# Altium PCB Receiver Module.PcbDoc (part 2 of 2)
Units mil, origin at the board's own origin, x right, y up, seen from the top; angles counter-clockwise.
Board outline 5921.26 x 3921.26 mil, 2 copper layers (Top Layer, Bottom Layer), stack 50 mil thick; 69 components, 74 nets, 418 pads, 116 vias.
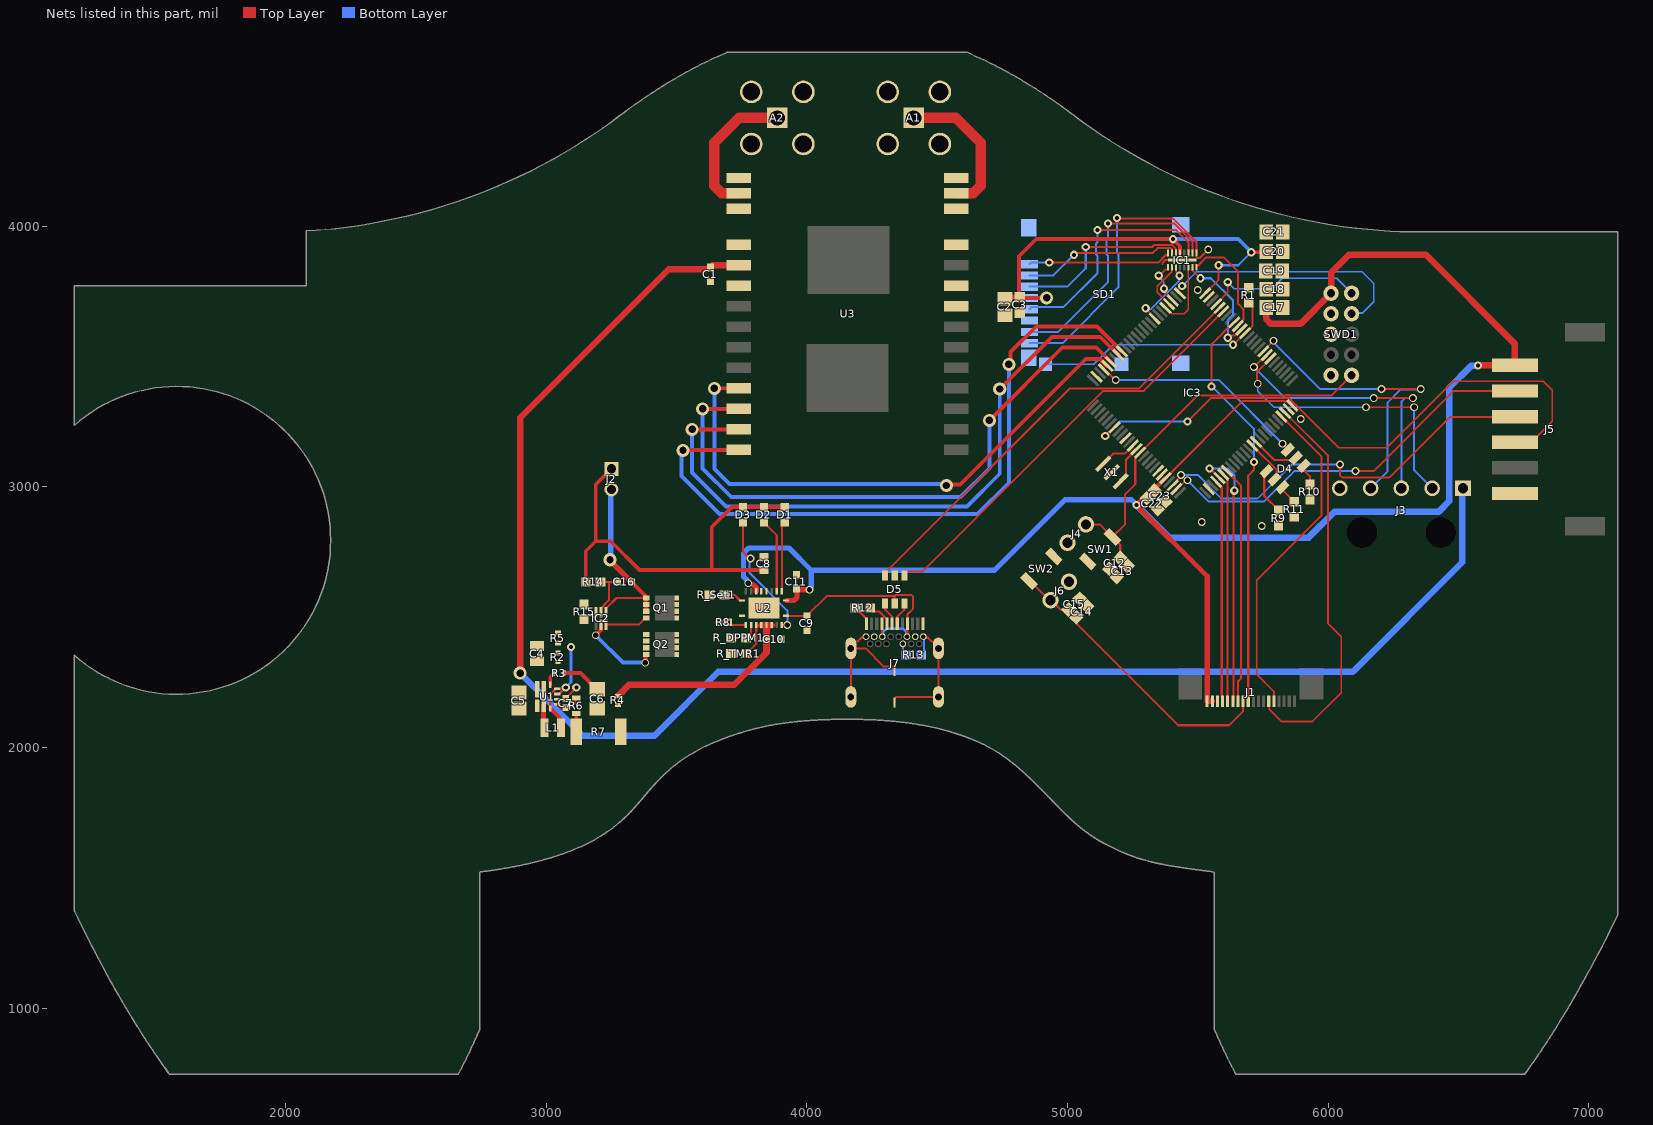
[diagram p2: the nets of this part, all layers, seen from the top]

## Part data (continued)
R6: library part CMP-08839-028178-1, "240kΩ ±5% 0.25W 0603 Anti-Surge Chip Resistor AEC-Q200", Case Code (Imperial)=0603, Case Code (Metric)=1608, Max Operating Temperature=155°C, Max Power Dissipation=250mW, Min Operating Temperature=-55°C, Package Quantity=5000, Resistance=240kR, Resistor Type="Thick Film", Temperature Coefficient=200ppm/°C, Tolerance=5%, Case/Package=0603, Features="Automotive AEC-Q200", Height=0.022inch, Length=0.063inch, Number of Terminations=2, Packaging="Tape and Reel", RoHS Compliant=Yes, Series=ESR, Width=0.031inch
R7: library part CMP-02407-002670-1, "RES Thick Film, 8.2kΩ, 5%, 0.75W, 200ppm/°C, 2010", Case Code (Imperial)=2010, Case Code (Metric)=5025, Max Operating Temperature=155°C, Min Operating Temperature=-55°C, Package Quantity=4000, Power Rating=750mW, Resistance=8.2kR, Temperature Coefficient=200ppm/°C, Tolerance=5%, Voltage Rating=400V, Case/Package=2010, Composition="Thick Film", Contact Plating=Tin, Depth=2.5mm, Height=0.6mm, Lead Free="Lead Free", Length=5mm, Military Standard=Not, Packaging="Tape and Reel", Radiation Hardening=No, Termination=SMD/SMT, Voltage Rating (DC)=400V, Weight=0.000899oz, Width=2.5mm
R8: "NTC (Negative Temperature Coefficient) Thermistors 10K/2% 3984K/0.5% AEC-Q200 70mm", Case/Package="Wire Lead", Max Operating Temperature=125°C, Min Operating Temperature=-40°C, Tolerance=2%, Voltage Rating=1kV, Beta Parameter="3984 K", Mounting Technology="Ring Lug", Pins=2, RoHS Compliant=RoHS
R9 R10 R11: "VISHAY - CRCW06031K00FKEA - SMD Chip Resistor, 0603 [1608 Metric], 1 kohm, CRCW e3 Series, 75 V, Thick Film, 100 mW"
R12 R13: "Res Thick Film 0603 5.1K Ohm 1% 1/10W ±100ppm/°C Molded SMD SMD Paper T/R"
R14 R15 R_Set1: "Thick Film Resistors - SMD 1/10Watt 2.1Kohms 1%"
R_DPPM1: "Thin Film Resistors - SMD RN 0603 36K5 0.1% 10PPM"
R_TMR1: "Thin Film Resistors - SMD 0603 5100ohms 25ppm 0.5% AEC-Q200"
SD1: "MOLEX   502774-0891.   MEMORY CARD CONNECTOR, MICROSD, 8POS", Current Rating=500mA, Max Operating Temperature=85°C, Max Voltage Rating (DC)=1.01kV, Min Operating Temperature=-25°C, Package Quantity=1, Voltage Rating (AC)=10V, Connector Type=Connector, Contact Material="Copper Alloy,Copper", Contact Plating=Gold, Depth=16mm, Gender=Male, Halogen Free="Low Halogen", Height=1.8mm, Housing Material=Polymer, Length=14.6mm, Mount="Surface Mount,Reverse", Number of Circuits=8, Number Of Contacts=8, Number of Rows=1, Orientation="Right Angle", Packaging="Tape and Reel", Pitch=1.1mm, Radiation Hardening=No, REACH SVHC=Unknown, Termination=Solder, Width=1.8mm
SW1 SW2: "SWITCH TACTILE SPST-NO 0.05A 12V", Contact Current Rating=50mA, Contact Resistance=100mR, Insulation Resistance=100MR, Max Operating Temperature=70°C, Max Voltage Rating (DC)=12V, Min Operating Temperature=-25°C, Operating Force=1.5N, Package Quantity=1, Ratings="Dust Proof,IP40", Actuator Length=0.4mm, Actuator Type=Standard, Contact Material=Silver, Current Rating=50mA, Depth=2.5mm, Electrical Life=200000Cycles, Height=1.2mm, Illumination Type=Non-Illuminated,Illuminated, Lead Free="Lead Free", Length=4mm, Max Current Rating=50mA, Mechanical Life=200000Cycles, Mount="Surface Mount", Orientation=Straight, Packaging="Tape and Reel", REACH SVHC=Unknown, Switch Function=Off-Mom, Switch Travel=0.15mm, Termination=SMD/SMT, Throw Configuration=SPST, Voltage Rating (DC)=12V, Weight=0.000776oz, Width=3mm
U1: "Integrated Circuit", Manufacturer_Name="Texas Instruments", Mouser Part Number=595-TPS61236PRWLR, Arrow Part Number=TPS61236PRWLR, Arrow Price/Stock=https://www.arrow.com/en/products/tps61236prwlr/texas-instruments?region=nac, Datasheet Link=http://www.ti.com/lit/ds/symlink/tps61236p.pdf, Manufacturer_Part_Number=TPS61236PRWLR, Mouser Price/Stock=https://www.mouser.co.uk/ProductDetail/Texas-Instruments/TPS61236PRWLR?qs=LuYMPh7GGMSj5RXH1N1%2Fpw%3D%3D
U2: "Battery Management Charger w/Dynamic Power-Path Mngmnt", Manufacturer_Name="Texas Instruments", Mouser Part Number=595-BQ24030RHLR, Arrow Part Number=BQ24030RHLR, Arrow Price/Stock=https://www.arrow.com/en/products/bq24030rhlr/texas-instruments, Datasheet Link=http://www.ti.com/lit/gpn/bq24030, Manufacturer_Part_Number=BQ24030RHLR, Mouser Price/Stock=https://www.mouser.co.uk/ProductDetail/Texas-Instruments/BQ24030RHLR/?qs=%252BvKcWiXw%252BzShgRCa3gfG7Q%3D%3D
X1: "Resonators 16.0 MHZ 15PF", Arrow Part Number=CSTNE16M0V530000R0, Manufacturer_Name="Murata Electronics", Mouser Part Number=81-CSTNE16M0V530000R, Arrow Price/Stock=https://www.arrow.com/en/products/cstne16m0v530000r0/murata-manufacturing?region=nac, Datasheet Link=https://www.murata.com/products/productdata/8801160822814/SPEC-CSTNE16M0V530000R0.pdf, Height=1mm, Manufacturer_Part_Number=CSTNE16M0V530000R0, Mouser Price/Stock=https://www.mouser.co.uk/ProductDetail/Murata-Electronics/CSTNE16M0V530000R0?qs=y6ZabgHbY%252BzQcQICtMt%2F3w%3D%3D

## Via types
v1: diameter 19.68, hole 11.81, Top Layer to Bottom Layer, tented both sides, 50 vias
v2: diameter 31.5, hole 15.75, Top Layer to Bottom Layer, tented both sides, 29 vias
v3: diameter 30, hole 20, Top Layer to Bottom Layer, tented both sides, 26 vias
v4: diameter 50, hole 28, Top Layer to Bottom Layer, tented both sides, 11 vias

## Nets (pads, with @x,y where several pads share a name; then routed paths per layer and width w, separated by ;. In a path a pad name is that pad's centre, name@x,y a point inside that pad or via, vN(x,y) a via of type N, cw(c..) or ccw(c..) an arc to the next point about the centre after c; other vN are vias at no path point)
+3V3: C2.2 C3.2 C11.2 C17.2 C18.2 C19.2 C20.2 C21.2 C22.2 C23.2 IC1.13 IC3.21 IC3.50 IC3.75 J1.17 J1.18 J5.1 R1.1 SD1.4 SWD1.1 U2.1 U2.7 | length 8828.6
  Top Layer w7.87: IC3.21@5375.94,3033.23 5671.05,3328.34 5835.07,3328.34 5835.44,3327.97 5846.09,3327.97 IC3.50@5862.45,3311.62
  Top Layer w8: IC3.75@5528.38,3742.45 5578.76,3792.82 5578.76,3848.76 v2(5580,3850)
  Top Layer w15: C2.2@4760,3721.5 4766,3727.5 C3.2@4817.03,3727.5 ; v4(4920,3725) 4819.53,3725 C3.2@4817.03,3727.5 ; C23.2@5334.12,2985.88 5334.12,2991.41 IC3.21@5375.94,3033.23 ; IC1.13@5432.13,3897.17 5432.13,3922.87 v2(5405,3950) 4880,3950 4814.53,3884.53 4814.53,3730 C3.2@4817.03,3727.5 ; v2(5705,3900) 5759.36,3900 C20.2@5762.29,3902.93
  Top Layer w20: 3793.62,2625 3805.71,2612.92 U2.7@3805.71,2599.09 ; U2.1@3921.69,2563.46 3950.55,2563.46 3962.46,2575.38 C11.2@3962.46,2604.98 ; C11.2@3960,2607.44 C11.2@3962.46,2604.98 ; v3@4009.8,2604.8 3962.64,2604.8 C11.2@3962.46,2604.98 ; C23.2@5334.12,2985.88 C22.2@5304.12,2955.88 5290.88,2955.88 v2(5265,2930) 5265,2927.8 5535.94,2656.86 J1.18@5535.94,2177.32 J1.17@5555.63,2177.32
  Top Layer w25: C17.2@5762.29,3687.93 5762.29,3642.71 5780,3625 5893.78,3625 SWD1.1@6011.26,3742.48 6011.26,3821.26 6080,3890 6375,3890 6716.93,3548.07 J5.1@6716.93,3466.06 6716.4,3465.53 6575.53,3465.53 v2(6575,3465)
  Bottom Layer w8: v2(5580,3850) 5655,3850 v2(5705,3900)
  Bottom Layer w15: SD1.4@4854.25,3724.25 4854.63,3724.63 4919.63,3724.63 v4(4920,3725) ; v2(5405,3950) 5655,3950 v2(5705,3900)
  Bottom Layer w20: v3(3775,2630) 3775,2632.71 3770,2637.71 3770,2641.68 3756.88,2654.8 3756.88,2745.19 3776.5,2764.8 3931.88,2764.8 4016.88,2679.8 ; v3(4010,2605) 4010,2607.71 4016.88,2614.59 4016.88,2679.8 ; v2(5265,2930) 5245,2950 4990,2950 4719.8,2679.8 4016.88,2679.8
  Bottom Layer w25: v2(5265,2930) 5390,2805 5925,2805 6025,2905 6425,2905 6465,2945 6465,3380 6550,3465 v2(6575,3465)
+5: C1.2 C4.1 C5.1 J3.1 R2.1 U1.9 U3.19 | length 6335.4
  Top Layer w25: v4(2900,2285) 2900,3265 3470,3835 3614.93,3835 3616.21,3836.28 3623.72,3836.28 C1.2@3630,3842.56 3637.76,3850.31 U3.19@3738.74,3850.31
  Bottom Layer w25: v4(2900,2285) 3140,2045 3415,2045 3660,2290 6095,2290 6515.04,2710.04 J3.1@6515.04,2994.29
ANT_N: A2.1 U3.16 | length 552
  Top Layer w40: U3.16@3738.74,4125.91 3674.09,4125.91 3645,4155 3645,4320 3740.11,4415.11 A2.1@3886.8,4415.11
ANT_P: A1.1 U3.13 | length 566.9
  Top Layer w40: A1.1@4410.42,4415.11 4572.02,4415.11 4667.13,4320 4667.13,4155 4638.03,4125.91 U3.13@4573.39,4125.91
BAT+: C8.1 D1.2 D2.2 D3.2 J2.1 R14.1 U2.5 U2.6 | length 1640.7
  Top Layer w15: R14.1@3151.46,2635 3151.46,2752.47 3190.06,2791.07 ; J2.1@3250,3068.74 3190.06,3008.8 3190.06,2791.07 ; C8.1@3833.74,2680.36 3635,2680.36 ; D1.2@3915,2922.22 D2.2@3835,2922.22 D3.2@3755,2922.22 3712.22,2922.22 3635,2845 3635,2680.36 ; 3190.06,2791.07 3247.67,2791.07 3358.38,2680.36 3635,2680.36
BAT_RAW-: C16.1 IC2.4 J2.2 Q1.1 Q1.2 Q1.3 | length 711.9
  Top Layer w7.87: IC2.4@3229.68,2518.62 3229.68,2533.39 3269.69,2573.39 Q1.1@3383.15,2573.39
  Top Layer w15: v4@3245,2717.56 v4(3245,2720) ; C16.1@3327.56,2635 3383.15,2579.41 Q1.1@3383.15,2573.39 Q1.3@3383.15,2522.2
  Top Layer w20: v4@3245,2717.56 C16.1@3327.56,2635
  Bottom Layer w20: v4(3245,2720) 3247.5,2722.5 3247.5,2987.5 J2.2@3250,2990
CLK: IC1.6 IC3.80 | length 267.8
  Top Layer w5: IC3.80@5375.94,3686.77 5376.88,3686.77 5400.17,3663.48 5448.48,3663.48 5463.62,3678.62 IC1.6@5463.62,3842.84
CMD: IC1.3 IC3.83 | length 290
  Top Layer w5: v2(5300,3685) 5300,3682.1 5334.18,3647.92 IC3.83@5334.18,3645.01 ; IC1.3@5416.38,3842.84 5416.38,3823.69 5430,3810.07 v2(5430,3810)
  Bottom Layer w5: v2(5300,3685) 5304.68,3680.32 5320.32,3680.32 5429.68,3789.68 5429.68,3809.68 v2(5430,3810)
D1_N: D5.6 J7.7A | length 89.7
  Top Layer w8: J7.7A@4346.79,2474.24 4346.79,2501.86 4372.97,2528.05 4374.35,2528.05 D5.6@4374.35,2551.73
D1_P: D5.4 J7.6A | length 89.7
  Top Layer w8: D5.4@4299.54,2551.73 4299.54,2528.05 4300.92,2528.05 4327.1,2501.86 J7.6A@4327.1,2474.24
D2_N: D5.1 IC3.70 | length 1647.8
  Top Layer w7.87: D5.1@4374.35,2660 4374.35,2667.87 4382.22,2675.75 4444.93,2675.75 5137.19,3368 5293.13,3368 IC3.70@5597.98,3672.85
D2_P: D5.3 IC3.71 | length 1714.4
  Top Layer w7.87: D5.3@4299.54,2660 4299.54,2667.87 5009.41,3377.74 5132.96,3377.74 5133.1,3377.87 5275.16,3377.87 IC3.71@5584.06,3686.77
DAT0: IC1.7 IC3.65 | length 432.7
  Top Layer w7.87: IC1.7@5479.37,3842.84 5479.37,3830.63 v2(5510,3800) ; v2(5615,3571.87) 5621.39,3571.87 5629.52,3580 5642.2,3580 5665.45,3603.26 IC3.65@5667.58,3603.26
  Bottom Layer w7.87: v2(5510,3800) 5550,3800 5635,3715 5635,3660.7 5615,3640.7 v2(5615,3571.87)
DAT1: IC1.8 IC3.66 | length 423
  Top Layer w7.87: IC1.8@5495.12,3842.84 5532.28,3880 5600,3880 5655,3825 5655,3701.64 5675,3681.64 5675,3641.3 5653.66,3619.96 IC3.66@5653.66,3617.18
DAT2: IC1.1 IC3.78 | length 170.3
  Top Layer w5: v2(5350,3810) 5352.05,3810 5376.37,3834.33 5383.44,3834.33 5384.88,3835.76 IC1.1@5384.88,3842.84 ; v2(5370,3760) 5375.07,3754.93 5375.07,3743.32 IC3.78@5403.78,3714.61
  Bottom Layer w5: v2(5350,3810) 5350,3805 5369.29,3785.71 5369.29,3760.71 v2(5370,3760)
DAT3: IC1.2 IC3.79 | length 183.8
  Top Layer w5: IC3.79@5389.86,3700.69 5345,3745.55 5345,3770 5400.56,3825.56 IC1.2@5400.63,3842.84 IC1.2@5400.63,3842.84
GND: A1.2 A1.3 A1.4 A1.5 A2.2 A2.3 A2.4 A2.5 C1.1 C2.1 C3.1 C5.2 C6.2 C7.2 C8.2 C9.1 C10.1 C11.1 C12.1 C13.1 C14.1 C15.1 C17.1 C18.1 C19.1 C20.1 C21.1 C22.1 C23.1 D5.2 IC1.17 IC3.10 IC3.19 IC3.20 IC3.27 IC3.49 IC3.74 IC3.99 J1.16 J3.5 J4.2 J5.6 J6.2 J7.0 J7.1A J7.1B J7.12A J7.12B Q2.1 Q2.2 Q2.3 R4.2 R5.2 R7.2 R8.2 R9.2 R10.2 R11.2 R12.1 R13.1 R15.2 R_DPPM1.1 R_Set1.2 R_TMR1.1 SD1.6 SD1.10 SD1.11 SD1.12 SD1.13 SD1.14 SW1.1 SW2.1 SWD1.3 SWD1.5 SWD1.9 U1.1 U1.5 U2.11 U2.21 U3.8 U3.9 U3.11 U3.12 U3.14 U3.15 U3.17 U3.18 U3.20 X1.2 | length 1433.1
  Top Layer w7.87: U1.5@3041.97,2185.16 3072.83,2185.16 C7.2@3075,2187.32 3075,2188.11 3115.46,2228.57 v2(3115.46,2230) ; J7.0@4168.83,2193.53 J7.0@4168.83,2379.75 ; R12.1@4186.46,2535 4187.44,2535 4226.71,2495.73 4226.71,2476.21 J7.1A@4228.68,2474.24 ; J7.12B@4226.71,2425.03 4223.32,2421.64 4210.72,2421.64 4195.91,2406.82 4184.29,2406.82 4168.83,2391.37 J7.0@4168.83,2379.75 ; J7.0@4336.94,2171.88 4336.94,2187.63 4342.85,2193.53 J7.0@4505.05,2193.53 J7.0@4505.05,2379.75 4505.05,2391.37 4489.6,2406.82 4477.98,2406.82 4463.17,2421.64 4450.57,2421.64 J7.1B@4447.18,2425.03 ; J7.0@4336.94,2293.93 4336.94,2309.67 4295.66,2309.67 4225.58,2379.75 J7.0@4168.83,2379.75 ; J7.12A@4445.21,2474.24 4445.21,2491.96 J7.12A@4447.18,2493.93 ; 5365,3855 5365,3860 5375,3870 IC1.17@5440,3870 5488.62,3870 5497.06,3878.43 5508.43,3878.43 v3(5540,3910)
  Bottom Layer w7.87: R13.1@4438.54,2355 4450.16,2366.62 4450.16,2422.04 J7.1B@4447.18,2425.03 ; J7.0@4489.6,2398.44 4505.05,2382.98 J7.0@4505.05,2379.75
  other v3: 5745,2850 5515,2865 5895,3260 5500,3755
LCD_RST: C14.2 C15.2 J1.11 J6.1 SW2.2 | length 1125.5
  Top Layer w8: SW2.2@4852.67,2637.67 4857.5,2637.67 4930.17,2565 J6.1@4935,2565 4938.21,2565 4974.79,2528.43 5003.43,2528.43 C15.2@5004.12,2529.12 C14.2@5034.12,2499.12 5033.59,2498.59 5033.59,2476.41 5425,2085 5620,2085 5673.74,2138.74 J1.11@5673.74,2177.32
LED1: D4.6 IC3.97 | length 835.8
  Top Layer w7.87: IC3.97@5139.31,3450.14 5142.08,3450.14 5182.23,3410 v3(5185,3410) ; v3(5825,3165) 5845.44,3144.56 D4.6@5845.44,3141.69
  Bottom Layer w7.87: v3(5185,3410) 5563.99,3410 5564.2,3410.21 5572.38,3410.21 5572.59,3410 5580,3410 v3(5825,3165)
LED2: D4.2 IC3.39 | length 171.5
  Top Layer w7.87: IC3.39@5709.34,3158.5 5802.29,3065.55 5802.29,3037.29 D4.2@5793.94,3028.94
LED3: D4.5 IC3.40 | length 185.1
  Top Layer w7.87: IC3.40@5723.26,3172.42 5792.97,3102.71 5867.71,3102.71 D4.5@5876.06,3111.06
MCU_RST: C12.2 C13.2 IC3.14 J4.1 SW1.2 SWD1.10 | length 1560.8
  Top Layer w7.87: J4.1@5070.71,2855.71 5123.94,2855.71 SW1.2@5172.33,2807.33 ; C13.2@5230.88,2695.88 5230.88,2697.64 C12.2@5201.76,2726.76 5202.45,2727.45 5202.45,2777.2 SW1.2@5172.33,2807.33 ; SWD1.10@6090,3427.52 6012.48,3350 5853.54,3350 5852.28,3351.26 5839.91,3351.26 5838.65,3350 5497.84,3350 IC3.14@5278.5,3130.66 5278.5,3127.88 5260,3109.38 5260,3010 5220,2970 5220,2855 SW1.2@5172.33,2807.33
NetC4_2: C4.2 R2.2 R5.1 U1.6 | length 199.9
  Top Layer w10: U1.6@3048.78,2204.92 3056.46,2212.61 3056.68,2212.61 3074.07,2230 v2(3075,2230)
  Bottom Layer w10: v2(3075,2230) 3095,2250 v2(3095,2385)
NetC6_1: C6.1 C10.2 L1.1 R3.1 R4.1 U1.3 U1.7 U2.15 U2.16 U2.17 | length 1119.6
  Top Layer w10: U1.3@3015.39,2149.72 3015.39,2204.9 3034.94,2224.45 3041.89,2224.45 U1.7@3041.97,2224.53
  Top Layer w15: U1.3@3015.39,2149.72 3015.39,2147.99 3017.97,2145.41 3019.7,2145.41 3048.25,2116.87 3048.25,2083.25 L1.1@3056.5,2075 ; R3.1@3067.72,2285 3130.92,2285 3192.98,2222.93 C6.1@3195,2222.93
  Top Layer w25: R4.1@3275,2197.72 3317.28,2240 3721.83,2240 3845.08,2363.24 C10.2@3845.08,2415 U2.16@3845.08,2469.17 ; U2.15@3825.39,2469.17 U2.16@3845.08,2469.17 ; U2.17@3864.76,2469.17 U2.16@3845.08,2469.17
NetC7_1: C7.1 R6.2 U1.4 | length 106.3
  Top Layer w7.87: U1.4@3041.97,2165.47 3048.86,2165.47 3049.84,2164.49 3049.84,2157.29 3054.46,2152.68 C7.1@3075,2152.68 3076.73,2154.4 3094.4,2154.4 3112.49,2172.49 3112.49,2187.01 R6.2@3115,2189.53
NetC16_2: C16.2 IC2.5 R14.2 | length 193.4
  Top Layer w7.87: R14.2@3208.54,2635 3240,2635 ; IC2.5@3210,2518.62 3210,2533.39 3211.97,2535.35 3213.23,2535.35 3217.84,2539.97 3217.84,2541.75 3240,2563.91 3240,2635 ; C16.2@3272.44,2635 3240,2635
NetD4_1: D4.1 R9.1 | length 177.3
  Top Layer w7.87: D4.1@5763.32,3059.56 5754.96,3051.21 5754.96,2964.56 5810,2909.53 R9.1@5810,2908.54
NetD4_3: D4.3 R11.1 | length 75
  Top Layer w7.87: D4.3@5824.56,2998.31 5824.56,2988.51 5870,2943.07 R11.1@5870,2942.09
NetD4_4: D4.4 R10.1 | length 102.7
  Top Layer w7.87: D4.4@5906.69,3080.44 5905.29,3079.05 5905.29,3065.13 5930,3040.42 5930,2988.54
NetIC1_9: IC1.9 SD1.8 | length 1083.4
  Top Layer w7.87: v2(5190,4031.69) 5191.69,4030 5403.96,4030 5495.12,3938.85 IC1.9@5495.12,3897.17
  Bottom Layer w7.87: SD1.8@4854.25,3551.02 4981.02,3551.02 5195,3765 5195,3891.8 5190,3896.8 v2(5190,4031.69)
NetIC1_10: IC1.10 SD1.7 | length 1005.4
  Top Layer w7.87: v2(5155,4010) 5410,4010 5479.37,3940.63 IC1.10@5479.37,3897.17
  Bottom Layer w7.87: SD1.7@4854.25,3594.33 4964.33,3594.33 5155,3785 5155,3886.8 5150,3891.8 5150,3945.21 5155,3950.21 v2(5155,4010)
NetIC1_11: IC1.11 SD1.5 | length 896.8
  Top Layer w7.87: v2(5115,3985) 5417.24,3985 5463.62,3938.62 IC1.11@5463.62,3897.17
  Bottom Layer w7.87: SD1.5@4854.25,3680.94 4863.31,3690 4985,3690 5115,3820 5115,3886.8 5110,3891.8 5110,3932.71 5115,3937.71 v2(5115,3985)
NetIC1_14: IC1.14 SD1.3 | length 698.4
  Top Layer w7.87: v2(5070,3920) 5325,3920 5333.31,3928.31 5400.16,3928.31 5415,3913.48 5415,3910 5416.38,3908.62 IC1.14@5416.38,3897.17
  Bottom Layer w7.87: SD1.3@4854.25,3767.56 4999.55,3767.56 5070,3838.01 v2(5070,3920)
NetIC1_15: IC1.15 SD1.2 | length 605.8
  Top Layer w7.87: v2(5025,3890) 5031.39,3890 5038.56,3897.17 5327.17,3897.17 5345.9,3915.9 5396.02,3915.9 5400.63,3911.29 IC1.15@5400.63,3897.17
  Bottom Layer w7.87: SD1.2@4854.25,3810.87 4945.77,3810.87 v2@5024.91,3890
NetIC1_16: IC1.16 SD1.1 | length 553.6
  Top Layer w7.87: v2(4930,3860) 5347.72,3860 5376.04,3888.32 5384.88,3888.32 IC1.16@5384.88,3897.17
  Bottom Layer w7.87: SD1.1@4854.25,3854.17 4860.08,3860 v2(4930,3860)
NetIC2_2: IC2.2 Q2.4 | length 316.1
  Top Layer w15: v3(3190,2430) 3190,2431.05 3210,2451.05 IC2.2@3210,2471.38 ; v3(3380,2325) 3381.57,2326.57 3381.57,2355.04 Q2.4@3383.15,2356.61
  Bottom Layer w15: v3(3190,2430) 3295,2325 v3(3380,2325)
NetIC2_3: IC2.3 Q1.4 | length 163.9
  Top Layer w7.87: IC2.3@3229.68,2471.38 3355.35,2471.38 3380.59,2496.61 Q1.4@3383.15,2496.61
NetIC2_6: IC2.6 R15.1 | length 63.3
  Top Layer w7.87: R15.1@3145,2491.46 3145,2492.44 3158.78,2506.22 3188.35,2506.22 3190.32,2508.19 IC2.6@3190.32,2518.62
NetIC3_23: IC3.23 J5.3 | length 1567.2
  Top Layer w7: IC3.23@5403.78,3005.39 5403.78,3008.79 5435,3040.01 v3(5435,3045) ; v3(6045,3085) 6045,3045 6055,3035 6235,3035 6468,3268 6715.72,3268 J5.3@6716.93,3269.21
  Bottom Layer w7: v3(5435,3045) 5435.5,3045.5 5499.5,3045.5 5590,2955 5730,2955 5860,3085 v3(6045,3085)
NetIC3_24: IC3.24 J5.2 | length 1522.8
  Top Layer w7: IC3.24@5417.7,2991.47 5421.1,2991.47 5454.63,3025 v3(5460,3025) ; v3(6105,3060) 6175,3060 6482.64,3367.64 J5.2@6716.93,3367.64
  Bottom Layer w7: v3(5460,3025) 5541.76,2943.24 5753.24,2943.24 5870,3060 v3(6105,3060)
NetIC3_29: IC3.29 J1.15 | length 852.3
  Top Layer w7.87: IC3.29@5570.14,3019.31 5570.14,3016.52 5591.77,2994.9 5591.77,2196.3 5595,2193.07 J1.15@5595,2177.32
NetIC3_30: IC3.30 J1.13 | length 1029.7
  Top Layer w7.87: v2(5545,3070) 5546.14,3070 5582.92,3033.23 IC3.30@5584.06,3033.23 ; J1.13@5634.37,2177.32 5636.34,2179.29 5636.34,2981.34 v2(5640,2985)
  Bottom Layer w7.87: v2(5545,3070) 5615,3070 5640,3045 v2(5640,2985)
NetIC3_31: IC3.31 J1.14 | length 876.8
  Top Layer w7.87: IC3.31@5597.98,3047.15 5597.98,3044.36 5614.69,3027.66 5614.69,3019.35 5614.71,3014.41 J1.14@5614.69,2177.32
NetIC3_32: IC3.32 J1.12 | length 910.3
  Top Layer w7.87: IC3.32@5611.9,3061.07 5611.9,3058.78 5665,3005.68 5665,2263.89 5654.06,2252.95 J1.12@5654.06,2177.32
NetIC3_47: IC3.47 J1.5 | length 1286.5
  Top Layer w7: J1.5@5791.85,2177.32 5791.85,2214.57 5726.42,2280 5726.42,2641.42 5975,2890 5975,3115.55 IC3.47@5820.69,3269.86
NetIC3_48: IC3.48 J1.6 | length 1535.7
  Top Layer w7: J1.6@5772.17,2177.32 5773.94,2175.54 5773.94,2146.06 5820,2100 5940,2100 6050,2210 6050,2424.6 6000,2474.6 6000,3118.39 IC3.48@5834.61,3283.78
NetIC3_57: IC3.57 J3.2 | length 1112.1
  Top Layer w7: v3(5730,3395) 5727.53,3397.47 5727.53,3440.5 IC3.57@5778.93,3491.9 ; v3(6145,3305) v3(6330,3305)
  Bottom Layer w7: v3(5730,3395) 5730,3367.3 5792.3,3305 v3(6145,3305) ; v3(6330,3305) 6330,3063.58 J3.2@6399.29,2994.29
NetIC3_58: IC3.58 J3.3 | length 1110.1
  Top Layer w7: v3(5715,3460) 5717.1,3460 5762.92,3505.82 IC3.58@5765.01,3505.82 ; v3(6175,3340) v3(6325,3340)
  Bottom Layer w7: v3(5715,3460) 5835,3340 v3(6175,3340) ; J3.3@6281.18,2994.29 6281.18,3326.18 6295,3340 v3(6325,3340)
NetIC3_59: IC3.59 J3.4 | length 1205.1
  Top Layer w7: IC3.59@5751.09,3519.74 5751.09,3520.42 5790,3559.32 v3(5790,3560) ; v3(6205,3375) v3(6355,3375)
  Bottom Layer w7: v3(5790,3560) 5790,3554.95 5969.95,3375 v3(6205,3375) ; J3.4@6163.07,2994.29 6228.31,3059.53 6228.31,3323.31 6278.49,3373.49 6353.49,3373.49 v3(6355,3375)
NetIC3_64: IC3.64 R1.2 SD1.9 | length 950.3
  Top Layer w7: v2(5635,3545) 5636.08,3545 5680.42,3589.34 IC3.64@5681.5,3589.34 5710,3617.84 5710,3690.47 5695,3705.47 R1.2@5695,3706.46
  Bottom Layer w7: SD1.9@4915.67,3470.12 5100.12,3470.12 5175,3545 v2(5635,3545)
NetIC3_67: IC3.67 J1.10 | length 1567.4
  Top Layer w7.87: v2(5552.95,3385) 5552.95,3547.09 5636.96,3631.09 IC3.67@5639.74,3631.09 ; J1.10@5693.43,2177.32 5693.43,3042.6 5715,3064.18 v2(5715,3095)
  Bottom Layer w7.87: v2(5552.95,3385) 5715,3222.95 v2(5715,3095)
NetIC3_72: IC3.72 SWD1.2 | length 628.6
  Top Layer w7: IC3.72@5570.14,3700.69 5615,3745.55 v2(5615,3785)
  Bottom Layer w7: v2(5615,3785) 5640,3760 5783.47,3760 5823.47,3800 6032.48,3800 SWD1.2@6090,3742.48
NetIC3_76: IC3.76 SWD1.4 | length 988.1
  Top Layer w7: IC3.76@5431.62,3742.45 5423.73,3750.33 5423.73,3753.73 v2(5440,3770)
  Bottom Layer w7: v2(5440,3770) 5495,3825 6130,3825 6175,3780 6175,3710 6131.16,3666.16 6092.42,3666.16 SWD1.4@6090,3663.74
NetIC3_92: IC3.92 U3.28 | length 2694.5
  Top Layer w15: v4(3525,3140) 3525.83,3140.83 3737.91,3140.83 U3.28@3738.74,3141.65 ; v4(4775,3470) 4781.7,3476.7 4781.7,3516.7 4880,3615 5113.64,3615 IC3.92@5208.91,3519.74
  Bottom Layer w15: v4(3525,3140) 3518.3,3133.3 3518.3,3041.7 3665,2895 4655,2895 4775,3015 v4(4775,3470)
NetIC3_93: IC3.93 U3.27 | length 2521.2
  Top Layer w15: v4(3560,3220.39) U3.27@3738.74,3220.39 ; v4(4740,3375) 4940,3575 5125.81,3575 IC3.93@5194.99,3505.82
  Bottom Layer w15: v4(3560,3220.39) 3560,3055 3690,2925 4615,2925 4740,3050 v4(4740,3375)
NetIC3_95: IC3.95 U3.26 | length 2350
  Top Layer w15: v4(3600,3299.13) U3.26@3738.74,3299.13 ; v4(4700,3255) 4980,3535 5110.13,3535 IC3.95@5167.15,3477.98
  Bottom Layer w15: v4(3600,3299.13) 3600,3070 3710,2960 4588.79,2960 4700,3071.21 v4(4700,3255)
NetIC3_96: IC3.96 U3.25 | length 2149.1
  Top Layer w15: v4(3645,3377.87) U3.25@3738.74,3377.87 ; v4(4535,3005) 4538.59,3008.59 4588.59,3008.59 5070,3490 5125.03,3490 5150.97,3464.06 IC3.96@5153.23,3464.06
  Bottom Layer w15: v4(3645,3377.87) 3645,3068.78 3703.78,3010 4530,3010 v4(4535,3005)
NetJ7_5A: J7.5A R12.2 | length 99.7
  Top Layer w7.87: R12.2@4243.54,2535 4257.32,2521.22 4278.68,2521.22 4299.88,2500.02 4299.88,2499.49 4307.42,2491.96 J7.5A@4307.42,2474.24
NetJ7_5B: J7.5B R13.2 | length 47.5
  Bottom Layer w7.87: J7.5B@4368.44,2397.08 4368.44,2368.02 R13.2@4381.46,2355
NetL1_2: L1.2 U1.2 | length 86.5
  Top Layer w7.87: L1.2@2990,2078.5 L1.2@2993.5,2075
  Top Layer w20: L1.2@2990,2078.5 U1.2@2990,2160
NetQ1_5: Q1.5 Q1.6 Q1.7 Q1.8 Q2.5 Q2.6 Q2.7 Q2.8
NetR3_2: R3.2 U1.8 | length 54
  Top Layer w15: U1.8@3015.39,2240.28 3015.39,2268.11 3027.97,2280.69 3031.91,2280.69 3032.28,2281.06 R3.2@3032.28,2285
NetR6_1: R6.1 R7.1 | length 70.5
  Top Layer w15: R7.1@3115,2060 R6.1@3115,2130.47
NetR8_1: R8.1 U2.12 | length 73.1
  Top Layer w8: R8.1@3697.72,2480 3708.54,2469.17 U2.12@3766.34,2469.17
NetR_DPPM1_2: R_DPPM1.2 U2.13 | length 57.9
  Top Layer w8: R_DPPM1.2@3766.34,2420 3767.32,2420 3786.02,2438.7 U2.13@3786.02,2469.17
NetR_Set1_1: R_Set1.1 U2.10 | length 75.9
  Top Layer w7.87: R_Set1.1@3683.54,2585 3722.17,2585 3743.5,2563.66 U2.10@3750.59,2563.66
NetR_TMR1_2: R_TMR1.2 U2.14 | length 126.1
  Top Layer w8: R_TMR1.2@3766.34,2360 3767.32,2360 3805.71,2398.39 U2.14@3805.71,2469.17
OSC_IN: IC3.12 X1.3 | length 143.1
  Top Layer w7.87: X1.3@5136.59,3088.41 5175.3,3127.11 5219.27,3127.11 IC3.12@5250.66,3158.5
OSC_OUT: IC3.13 X1.1 | length 148.3
  Top Layer w7.87: X1.1@5203.41,3021.59 5224.29,3042.47 5224.29,3104.29 IC3.13@5264.58,3144.58
STAT1: D1.1 U2.2 | length 268.6
  Top Layer w7.87: U2.2@3904.13,2599.09 3904.13,2852.3 D1.1@3915,2863.17
STAT2: D2.1 U2.3 | length 284.6
  Top Layer w7.87: D2.1@3835,2863.17 3884.45,2813.72 U2.3@3884.45,2599.09
USB: C9.2 D5.5 J7.4A J7.4B J7.9A J7.9B U2.20 | length 902.4
  Top Layer w7.87: U2.20@3919.88,2504.61 C9.2@4000,2504.61 4075.78,2580.39 4336.94,2580.39 ; J7.4A@4287.73,2474.24 4287.73,2427 J7.9B@4289.7,2425.03 ; D5.5@4336.94,2551.73 4336.94,2580.39 ; J7.9A@4386.16,2474.24 4386.16,2511.16 4407.69,2532.69 4407.69,2577.69 4400.39,2585 4341.56,2585 4336.94,2580.39
  Top Layer w10: J7.4B@4384.19,2425.03 4385.25,2426.09 4385.25,2473.34 J7.9A@4386.16,2474.24
  Bottom Layer w10: J7.9B@4289.7,2425.03 4292.02,2427.35 4292.02,2442.02 4305,2455 4370,2455 4382.43,2442.57 4382.43,2426.79 J7.4B@4384.19,2425.03
USB_STAT: D3.1 U2.19 | length 490.3
  Top Layer w7.87: D3.1@3755,2863.17 3755,2750 3780,2725 v3(3783.88,2725) ; U2.19@3904.13,2469.17 3904.92,2470 v3(3925,2470)
  Bottom Layer w7.87: v3(3783.88,2725) 3780,2721.12 3780,2670 3925,2525 v3(3925,2470)
WAKE: IC3.7 J5.4 | length 2320.5
  Top Layer w7: v2(5145,3195) 5146.48,3195 5179.58,3228.1 IC3.7@5181.07,3228.1 ; v2(5460,3250) 5550,3340 5841.99,3340 5843.82,3341.82 5848.37,3341.82 6040.2,3150 6225,3150 6480,3405 6825,3405 6860,3370 6860,3250.87 6779.92,3170.79 J5.4@6716.93,3170.79
  Bottom Layer w7: v2(5145,3195) 5200,3250 v2(5460,3250)
pads on no net: IC1.4 IC1.5 IC1.12 IC2.1 IC3.1 IC3.2 IC3.3 IC3.4 IC3.5 IC3.6 IC3.8 IC3.9 IC3.11 IC3.15 IC3.16 IC3.17 IC3.18 IC3.22 IC3.25 IC3.26 IC3.28 IC3.33 IC3.34 IC3.35 IC3.36 IC3.37 IC3.38 IC3.41 IC3.42 IC3.43 IC3.44 IC3.45 IC3.46 IC3.51 IC3.52 IC3.53 IC3.54 IC3.55 IC3.56 IC3.60 IC3.61 IC3.62 IC3.63 IC3.68 IC3.69 IC3.73 IC3.77 IC3.81 IC3.82 IC3.84 IC3.85 IC3.86 IC3.87 IC3.88 IC3.89 IC3.90 IC3.91 IC3.94 IC3.98 IC3.100 J1.1 J1.2 J1.3 J1.4 J1.7 J1.8 J1.9 J1.19 J1.20 J3.6 J3.7 J5.5 J5.7 J5.8 J7.2A J7.2B J7.3A J7.3B J7.6B J7.7B J7.8A J7.8B J7.10A J7.10B J7.11A J7.11B Q1.9 Q2.9 SWD1.6 SWD1.7 SWD1.8 U1.10 U2.4 U2.8 U2.9 U2.18 U3.1 U3.2 U3.3 U3.4 U3.5 U3.6 U3.7 U3.10 U3.21 U3.22 U3.23 U3.24 U3.29
copper on no net:
  other v1: 4034.02,3299.13 4093.07,3299.13 4152.13,3299.13 4211.18,3299.13 4270.24,3299.13 4034.02,3358.19 4093.07,3358.19 4152.13,3358.19 4211.18,3358.19 4270.24,3358.19 4034.02,3417.24 4093.07,3417.24 4152.13,3417.24 4211.18,3417.24 4270.24,3417.24 4034.02,3476.3 4093.07,3476.3 4152.13,3476.3 4211.18,3476.3 4270.24,3476.3 4034.02,3535.35 4093.07,3535.35 4152.13,3535.35 4211.18,3535.35 4270.24,3535.35 4037.95,3751.89 4097.01,3751.89 4156.06,3751.89 4215.12,3751.89 4274.17,3751.89 4037.95,3810.94 4097.01,3810.94 4156.06,3810.94 4215.12,3810.94 4274.17,3810.94 4037.95,3870 4097.01,3870 4156.06,3870 4215.12,3870 4274.17,3870 4037.95,3929.06 4097.01,3929.06 4156.06,3929.06 4215.12,3929.06 4274.17,3929.06 4037.95,3988.11 4097.01,3988.11 4156.06,3988.11 4215.12,3988.11 4274.17,3988.11

## Polygon pours and split planes (outlines as drawn)
GND on Top Layer "NONET_L-01_P-001" (solid, pour order 6): 7940,5385 7830,5495 905,5495 905,345 1035,215 1195,375 7685,375
NetC4_2 on Top Layer "NONET_L-01_P-001" (solid, pour order 4): 2935,2365 3025,2365 3025,2360 3034.47,2350.53 3113.07,2350.53 3113.07,2420 2935,2420
NetQ1_5 on Top Layer "NONET_L-01_P-001" (solid, remove dead copper, pour order 1): 3415,2310 3535,2310 3535,2615 3415,2615
BAT+ on Top Layer "NONET_L-01_P-001" (solid, pour order 0): 3855,2580 3814.91,2580 3814.91,2705 3855,2705
NetC6_1 on Top Layer "NONET_L-01_P-001" (solid, pour order 2): 3025,2215 3025,2260 3305,2260 3305,2185 3160,2185 3130,2215
+5 on Top Layer "NONET_L-01_P-001" (solid, pour order 3): 2975,2190.17 2975,2265 3015,2305 3060,2305 3060,2345 2860,2345 2860,2190.17
GND on Bottom Layer "NONET_L-01_P-001" (solid, pour order 5): 8030,5190 8005,5215 900,5215 900,530 1015,415 7760,415

## Other copper
Top Layer:
  rectangle net +3V3: 5675,3735 5750,3785
  rectangle net +3V3: 5725,3650 5795,4025

## Silkscreen, mask and mechanical layers (free items; w line width, h text height)
Board Shape:
  drawing of 1632 lines, arcs and shapes, not listed